# KiCad board coils_12_35_10_2_layer.kicad_pcb (continued)
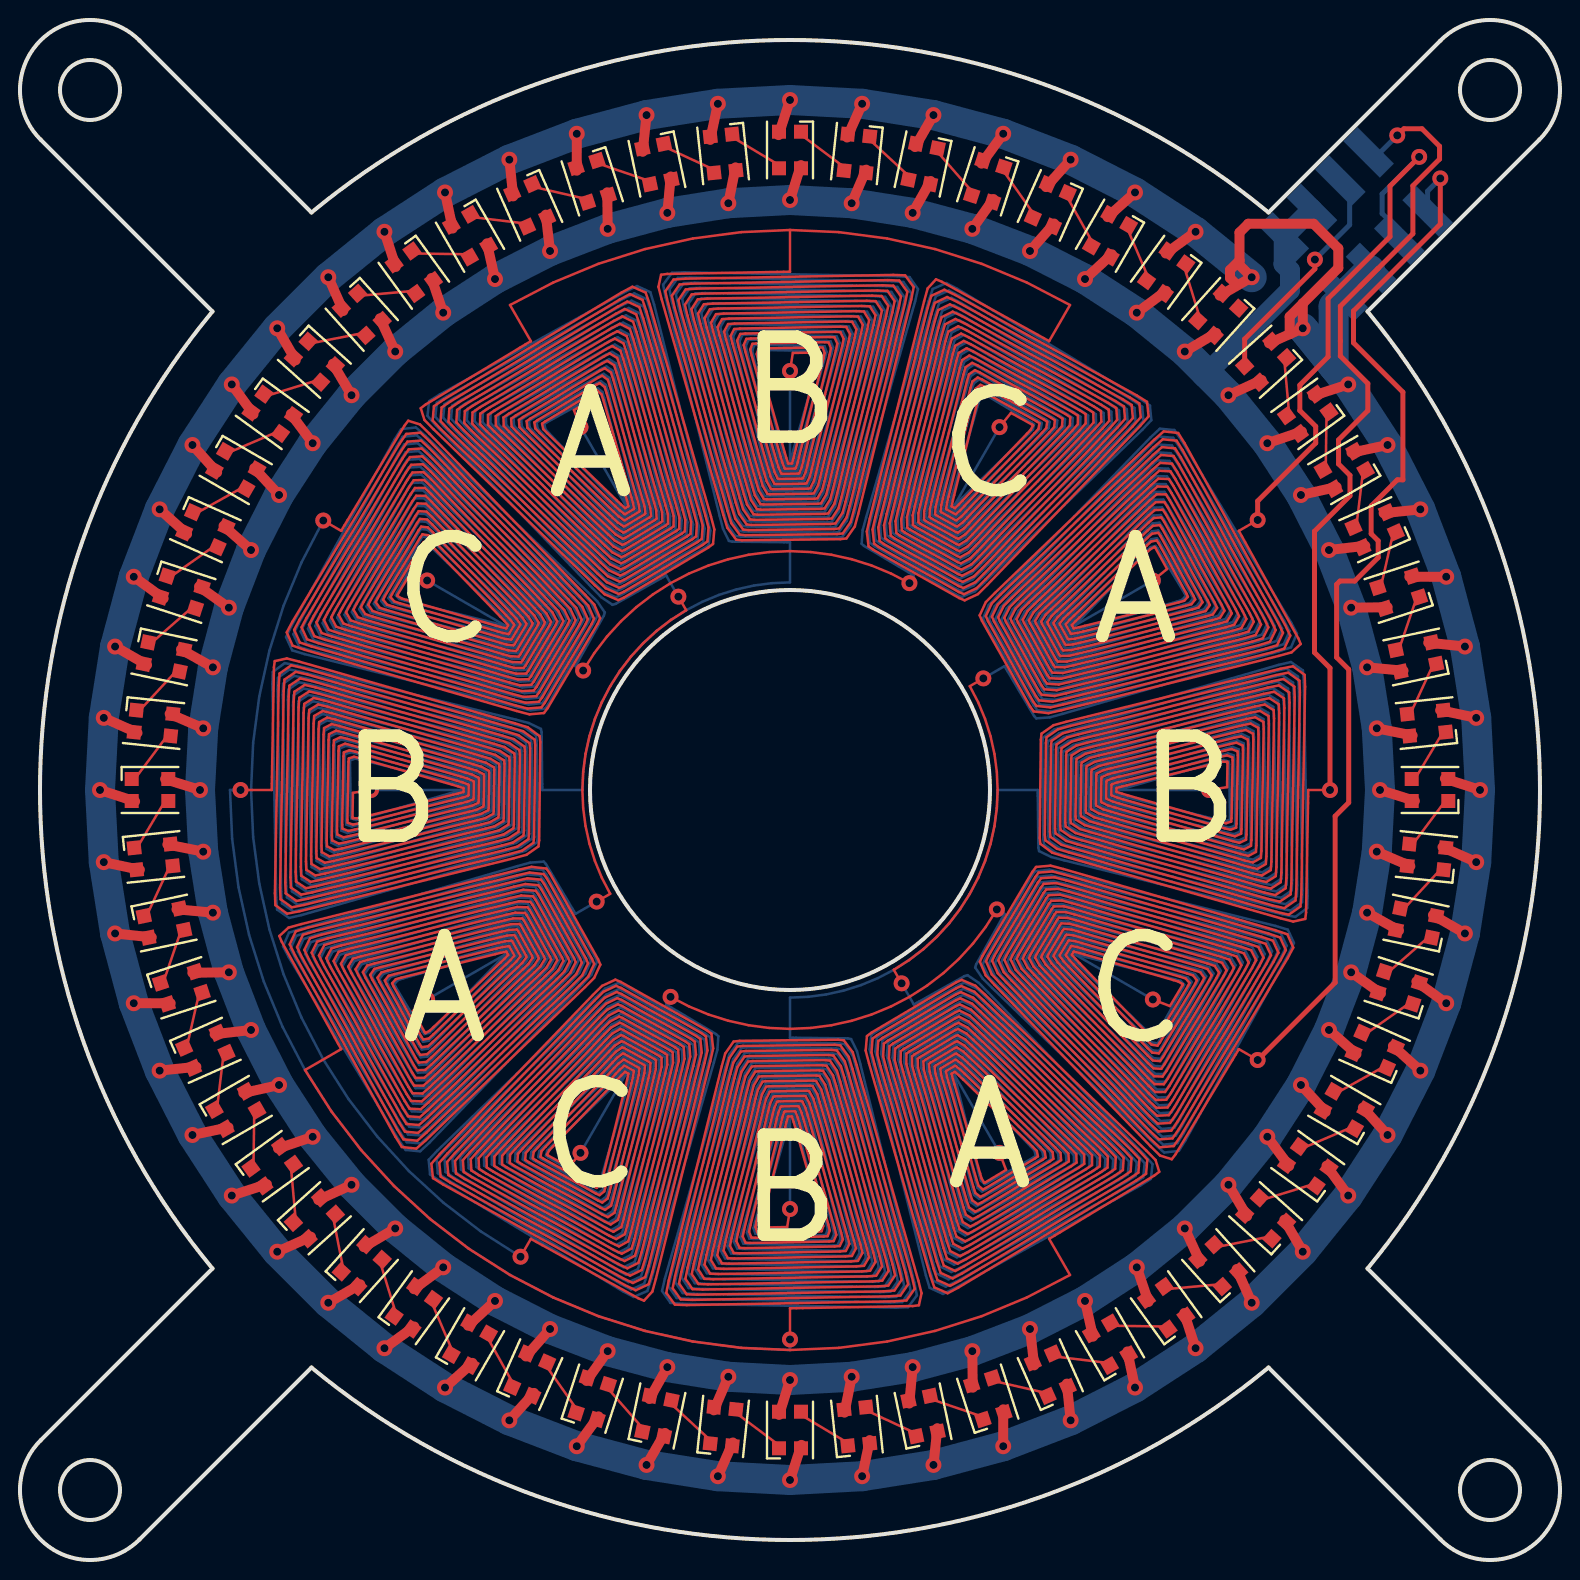
[diagram p0: board, top side]
## Routing (per net, layer and track width the routed paths; a pad name or vN(x,y) marks a point on that pad's centre or on a via; arc(x,y) is an arc through that point) (continued)
  In1.Cu w0.127: v1(48.84,32.53) 49.23,32.31 47.81,29.78 47.76,29.63 48.14,29.07 48.61,28.6 56.72,20.8 57.21,20.37 57.94,20.46 58.27,20.98 63.43,30.3 63.7,30.85 63.39,31.52 62.78,31.7 52.11,34.37 51.47,34.52 50.75,34.43 50.58,34.2 48.25,30.05 48.14,29.78 48.44,29.14 48.89,28.68 56.69,21.18 57.16,20.77 57.87,20.84 58.18,21.34 63.08,30.19 63.33,30.71 63.03,31.35 62.45,31.52 52.18,34.09 51.58,34.23 50.88,34.16 50.73,33.94 48.55,30.07 48.45,29.82 48.74,29.2 49.17,28.77 56.66,21.56 57.12,21.16 57.79,21.22 58.09,21.69 62.72,30.07 62.97,30.57 62.68,31.18 62.11,31.35 52.26,33.81 51.68,33.94 51.02,33.88 50.87,33.68 48.85,30.08 48.75,29.85 49.04,29.26 49.45,28.85 56.64,21.93 57.07,21.55 57.72,21.61 57.99,22.05 62.37,29.96 62.6,30.43 62.32,31.01 61.78,31.17 52.34,33.53 51.78,33.66 51.15,33.6 51.01,33.42 49.15,30.09 49.06,29.88 49.34,29.33 49.74,28.93 56.61,22.31 57.03,21.95 57.64,21.99 57.9,22.41 62.02,29.85 62.23,30.3 61.96,30.83 61.44,30.99 52.42,33.25 51.88,33.37 51.29,33.33 51.16,33.15 49.45,30.11 49.37,29.91 49.64,29.39 50.02,29.01 56.59,22.69 56.98,22.34 57.56,22.38 57.81,22.77 61.67,29.74 61.87,30.16 61.6,30.66 61.11,30.81 52.5,32.97 51.99,33.08 51.42,33.05 51.3,32.89 49.75,30.12 49.68,29.94 49.94,29.45 50.3,29.09 56.56,23.07 56.94,22.73 57.49,22.76 57.72,23.12 61.32,29.63 61.5,30.02 61.25,30.49 60.78,30.63 52.58,32.68 52.09,32.8 51.56,32.77 51.45,32.63 50.05,30.14 49.98,29.97 50.24,29.52 50.58,29.17 56.53,23.44 56.89,23.13 57.41,23.14 57.62,23.48 60.97,29.52 61.14,29.88 60.89,30.32 60.44,30.45 52.65,32.4 52.19,32.51 51.69,32.49 51.59,32.37 50.35,30.15 50.29,30.01 50.54,29.58 50.86,29.25 56.51,23.82 56.85,23.52 57.33,23.53 57.53,23.84 60.61,29.41 60.77,29.74 60.53,30.15 60.11,30.28 52.73,32.12 52.3,32.22 51.82,32.22 51.74,32.11 50.65,30.17 50.6,30.04 50.83,29.64 51.14,29.34 56.48,24.2 56.8,23.91 57.26,23.91 57.44,24.2 60.26,29.3 60.41,29.6 60.18,29.98 59.78,30.1 52.81,31.84 52.4,31.94 51.96,31.94 51.88,31.85 50.95,30.18 50.91,30.07 51.13,29.71 51.43,29.42 56.46,24.58 56.76,24.31 57.18,24.3 57.35,24.55 59.91,29.18 60.04,29.46 59.82,29.81 59.44,29.92 52.89,31.56 52.5,31.65 52.09,31.66 52.03,31.59 51.24,30.2 51.21,30.1 51.43,29.77 51.71,29.5 56.43,24.95 56.71,24.7 57.1,24.68 57.25,24.91 59.56,29.07 59.67,29.32 59.46,29.64 59.11,29.74 52.97,31.28 52.6,31.36 52.23,31.39 52.17,31.33 51.54,30.21 51.52,30.13 51.73,29.83 51.99,29.58 56.4,25.33 56.67,25.09 57.03,25.06 57.16,25.27 59.21,28.96 59.31,29.18 59.1,29.47 58.77,29.56 53.04,31 52.71,31.08 52.36,31.11 52.32,31.07 51.84,30.22 51.83,30.16 52.03,29.9 52.27,29.66 56.38,25.71 56.62,25.49 56.95,25.45 57.07,25.62 58.85,28.85 58.94,29.04 58.75,29.3 58.44,29.38 53.12,30.71 52.81,30.79 52.5,30.83 52.46,30.8 52.14,30.24 52.14,30.19 52.33,29.96 52.55,29.74 56.35,26.09 56.58,25.88 56.88,25.83 56.98,25.98 58.5,28.74 58.58,28.9 58.39,29.13 58.11,29.21 53.2,30.43 52.91,30.5 52.63,30.56 52.61,30.54 52.44,30.25 52.44,30.23 52.63,30.02 52.83,29.83 56.33,26.46 56.53,26.27 56.8,26.21 56.88,26.34 58.15,28.63 58.21,28.77 58.03,28.96 57.77,29.03 53.28,30.15 53.01,30.22 52.76,30.28 52.75,30.28 52.75,30.28 v1(56.64,28.03) ; v1(56.64,48.98) 52.75,46.73 52.74,46.73 52.75,46.74 52.93,46.93 53.12,47.12 56.34,50.45 56.53,50.64 56.79,50.7 56.87,50.58 58.22,48.34 58.29,48.2 58.1,48.01 57.84,47.92 53.18,46.58 52.91,46.5 52.64,46.44 52.61,46.45 52.44,46.74 52.44,46.77 52.63,46.98 52.84,47.2 56.35,50.83 56.56,51.04 56.85,51.09 56.95,50.94 58.58,48.24 58.66,48.08 58.47,47.85 58.18,47.75 53.11,46.29 52.81,46.21 52.51,46.16 52.48,46.18 52.15,46.74 52.14,46.79 52.33,47.04 52.55,47.27 56.36,51.21 56.59,51.43 56.91,51.48 57.03,51.3 58.94,48.14 59.03,47.95 58.83,47.69 58.52,47.59 53.04,46.01 52.72,45.92 52.38,45.87 52.34,45.92 51.85,46.75 51.83,46.81 52.03,47.09 52.27,47.34 56.38,51.59 56.62,51.83 56.97,51.86 57.11,51.66 59.29,48.04 59.4,47.83 59.19,47.53 58.86,47.42 52.97,45.72 52.62,45.63 52.26,45.59 52.2,45.65 51.55,46.75 51.52,46.83 51.73,47.15 51.99,47.42 56.39,51.97 56.65,52.22 57.04,52.25 57.19,52.02 59.65,47.95 59.77,47.7 59.56,47.37 59.2,47.25 52.9,45.44 52.53,45.33 52.13,45.31 52.06,45.39 51.25,46.76 51.22,46.85 51.43,47.2 51.71,47.49 56.4,52.35 56.69,52.62 57.1,52.63 57.27,52.38 60,47.85 60.14,47.58 59.92,47.22 59.54,47.09 52.83,45.15 52.43,45.04 52,45.03 51.93,45.12 50.95,46.76 50.91,46.88 51.13,47.25 51.42,47.56 56.41,52.72 56.72,53.01 57.16,53.02 57.35,52.74 60.36,47.75 60.51,47.45 60.28,47.06 59.88,46.92 52.76,44.87 52.34,44.75 51.88,44.75 51.79,44.85 50.65,46.77 50.6,46.9 50.83,47.31 51.14,47.64 56.43,53.1 56.75,53.41 57.22,53.41 57.43,53.1 60.71,47.65 60.88,47.32 60.65,46.9 60.22,46.76 52.69,44.58 52.24,44.46 51.75,44.46 51.65,44.59 50.35,46.77 50.3,46.92 50.53,47.36 50.86,47.71 56.44,53.48 56.78,53.8 57.29,53.79 57.51,53.46 61.07,47.55 61.25,47.2 61.01,46.74 60.56,46.59 52.62,44.3 52.15,44.17 51.63,44.18 51.52,44.32 50.06,46.78 49.99,46.94 50.23,47.42 50.57,47.78 56.45,53.86 56.81,54.2 57.35,54.18 57.59,53.82 61.42,47.45 61.62,47.07 61.37,46.58 60.9,46.42 52.55,44.01 52.05,43.88 51.5,43.9 51.38,44.05 49.76,46.79 49.68,46.97 49.93,47.47 50.29,47.85 56.46,54.24 56.84,54.59 57.41,54.57 57.67,54.18 61.78,47.36 61.99,46.95 61.74,46.43 61.24,46.26 52.48,43.73 51.96,43.59 51.37,43.62 51.24,43.79 49.46,46.79 49.37,46.99 49.64,47.53 50.01,47.93 56.48,54.62 56.87,54.99 57.47,54.95 57.75,54.55 62.14,47.26 62.37,46.82 62.1,46.27 61.58,46.09 52.41,43.45 51.86,43.3 51.25,43.34 51.1,43.52 49.16,46.8 49.07,47.01 49.34,47.58 49.73,48 56.49,54.99 56.9,55.38 57.53,55.34 57.83,54.91 62.49,47.16 62.74,46.7 62.46,46.11 61.92,45.93 52.34,43.16 51.77,43.01 51.12,43.05 50.97,43.25 48.86,46.8 48.76,47.03 49.04,47.63 49.44,48.07 56.5,55.37 56.93,55.78 57.6,55.72 57.91,55.27 62.85,47.06 63.11,46.57 62.83,45.95 62.26,45.76 52.27,42.88 51.67,42.72 50.99,42.77 50.83,42.99 48.56,46.81 48.45,47.05 48.74,47.69 49.16,48.15 56.51,55.75 56.96,56.17 57.66,56.11 57.99,55.63 63.2,46.96 63.48,46.44 63.19,45.8 62.6,45.59 52.2,42.59 51.58,42.43 50.87,42.49 50.69,42.72 48.27,46.81 48.15,47.08 48.44,47.74 48.88,48.22 56.53,56.13 56.99,56.56 57.72,56.5 58.07,55.99 63.56,46.86 63.85,46.32 63.55,45.64 62.94,45.43 52.13,42.31 51.49,42.13 50.81,42.08 50.7,42.2 49.23,44.69 v1(48.17,44.08) ; v1(38.5,17.55) 38.5,22.05 38.49,22.05 38.49,22.04 38.42,21.79 38.34,21.53 37.07,17.07 37,16.81 37.07,16.56 37.22,16.55 39.84,16.5 39.99,16.51 40.07,16.77 40.01,17.04 38.85,21.75 38.78,22.03 38.69,22.29 38.67,22.3 38.34,22.31 38.31,22.29 38.22,22.02 38.14,21.74 36.75,16.87 36.67,16.59 36.77,16.32 36.95,16.3 40.1,16.24 40.28,16.25 40.39,16.53 40.32,16.83 39.06,21.95 38.98,22.25 38.87,22.54 38.83,22.55 38.18,22.56 38.14,22.55 38.02,22.25 37.93,21.94 36.42,16.67 36.35,16.36 36.47,16.07 36.68,16.05 40.37,15.98 40.58,15.99 40.71,16.3 40.64,16.62 39.27,22.16 39.19,22.48 39.06,22.79 38.99,22.81 38.03,22.82 37.97,22.8 37.83,22.49 37.73,22.15 36.1,16.47 36.02,16.14 36.16,15.82 36.41,15.8 40.63,15.72 40.87,15.74 41.03,16.06 40.95,16.41 39.48,22.36 39.39,22.71 39.24,23.04 39.16,23.06 37.88,23.07 37.8,23.06 37.63,22.72 37.52,22.36 35.78,16.27 35.69,15.92 35.86,15.57 36.14,15.55 40.89,15.46 41.17,15.48 41.34,15.83 41.27,16.2 39.69,22.56 39.59,22.94 39.42,23.29 39.32,23.31 37.72,23.33 37.62,23.31 37.43,22.95 37.32,22.57 35.46,16.07 35.37,15.69 35.56,15.33 35.86,15.3 41.16,15.2 41.46,15.22 41.66,15.59 41.58,15.99 39.9,22.77 39.8,23.16 39.6,23.54 39.48,23.56 37.57,23.58 37.45,23.56 37.23,23.18 37.11,22.78 35.14,15.87 35.04,15.47 35.25,15.08 35.59,15.05 41.42,14.95 41.76,14.96 41.98,15.36 41.89,15.78 40.11,22.97 40,23.39 39.78,23.79 39.64,23.81 37.42,23.84 37.28,23.82 37.04,23.41 36.91,22.99 34.82,15.67 34.71,15.24 34.95,14.83 35.32,14.8 41.68,14.69 42.05,14.7 42.3,15.12 42.21,15.57 40.33,23.17 40.21,23.62 39.96,24.04 39.81,24.07 37.26,24.1 37.11,24.07 36.84,23.65 36.7,23.19 34.5,15.47 34.39,15.02 34.65,14.58 35.05,14.55 41.95,14.43 42.34,14.45 42.62,14.88 42.52,15.35 40.54,23.37 40.41,23.84 40.14,24.29 39.97,24.32 37.11,24.35 36.93,24.33 36.64,23.88 36.5,23.4 34.17,15.27 34.06,14.8 34.34,14.34 34.77,14.3 42.21,14.17 42.64,14.19 42.93,14.65 42.84,15.14 40.75,23.58 40.62,24.07 40.32,24.54 40.13,24.57 36.95,24.61 36.76,24.58 36.45,24.11 36.29,23.61 33.85,15.07 33.73,14.57 34.04,14.09 34.5,14.06 42.47,13.91 42.93,13.93 43.25,14.41 43.15,14.93 40.96,23.78 40.82,24.3 40.5,24.79 40.29,24.82 36.8,24.86 36.59,24.84 36.25,24.34 36.09,23.82 33.53,14.87 33.41,14.35 33.74,13.84 34.23,13.81 42.73,13.65 43.23,13.67 43.57,14.18 43.46,14.72 41.17,23.98 41.02,24.53 40.69,25.04 40.46,25.08 36.65,25.12 36.41,25.09 36.05,24.58 35.89,24.03 33.21,14.67 33.08,14.12 33.44,13.6 33.96,13.56 43,13.39 43.52,13.41 43.89,13.94 43.78,14.51 41.38,24.19 41.23,24.75 40.87,25.29 40.62,25.33 36.49,25.38 36.24,25.35 35.86,24.81 35.68,24.24 32.89,14.47 32.75,13.9 33.13,13.35 33.68,13.31 43.26,13.13 43.81,13.16 44.21,13.71 44.09,14.3 41.59,24.39 41.43,24.98 41.05,25.55 40.78,25.58 36.34,25.63 36.07,25.6 35.66,25.04 35.48,24.44 32.57,14.27 32.43,13.68 32.83,13.1 33.41,13.06 43.52,12.88 44.11,12.9 44.53,13.47 44.41,14.09 41.8,24.59 41.64,25.21 41.23,25.8 40.94,25.83 36.18,25.89 35.9,25.86 35.46,25.27 35.27,24.65 32.25,14.07 32.1,13.45 32.53,12.85 33.14,12.81 43.79,12.62 44.4,12.64 44.84,13.24 44.72,13.88 42.02,24.8 41.85,25.44 41.56,26.05 41.4,26.08 38.5,26.11 38.5,28.12 39.4,28.16 40.3,28.28 41.19,28.47 42.05,28.75 42.89,29.09 43.69,29.51 44.45,30 45.17,30.55 45.84,31.16 46.45,31.83 47,32.55 47.49,33.31 47.91,34.11 48.25,34.95 48.53,35.81 48.72,36.7 48.84,37.6 48.88,38.5 50.89,38.5 50.92,35.6 50.95,35.44 51.56,35.15 52.2,34.98 63.12,32.28 63.76,32.16 64.36,32.6 64.38,33.21 64.19,43.86 64.15,44.47 63.55,44.9 62.93,44.75 52.35,41.73 51.73,41.54 51.14,41.1 51.11,40.82 51.17,36.06 51.2,35.77 51.79,35.36 52.41,35.2 62.91,32.59 63.53,32.47 64.1,32.89 64.12,33.48 63.94,43.59 63.9,44.17 63.32,44.57 62.73,44.43 52.56,41.52 51.96,41.34 51.4,40.93 51.37,40.66 51.42,36.22 51.45,35.95 52.02,35.57 52.61,35.41 62.7,32.91 63.29,32.79 63.84,33.19 63.87,33.74 63.69,43.32 63.65,43.87 63.1,44.25 62.53,44.11 52.76,41.32 52.19,41.14 51.65,40.76 51.62,40.51 51.67,36.38 51.71,36.13 52.25,35.77 52.81,35.62 62.49,33.22 63.06,33.11 63.59,33.48 63.61,34 63.44,43.04 63.4,43.56 62.88,43.92 62.33,43.79 52.97,41.11 52.42,40.95 51.91,40.59 51.88,40.35 51.92,36.54 51.96,36.31 52.47,35.98 53.02,35.83 62.28,33.54 62.82,33.43 63.33,33.77 63.35,34.27 63.19,42.77 63.16,43.26 62.65,43.59 62.13,43.47 53.18,40.91 52.66,40.75 52.16,40.41 52.14,40.2 52.18,36.71 52.21,36.5 52.7,36.18 53.22,36.04 62.07,33.85 62.59,33.75 63.07,34.07 63.09,34.53 62.94,42.5 62.91,42.96 62.43,43.27 61.93,43.15 53.39,40.71 52.89,40.55 52.42,40.24 52.39,40.05 52.43,36.87 52.46,36.68 52.93,36.38 53.42,36.25 61.86,34.16 62.35,34.07 62.81,34.36 62.83,34.79 62.7,42.23 62.66,42.66 62.2,42.94 61.73,42.83 53.6,40.5 53.12,40.36 52.67,40.07 52.65,39.89 52.68,37.03 52.71,36.86 53.16,36.59 53.63,36.46 61.65,34.48 62.12,34.38 62.55,34.66 62.57,35.05 62.45,41.95 62.42,42.35 61.98,42.61 61.53,42.5 53.81,40.3 53.35,40.16 52.93,39.89 52.9,39.74 52.93,37.19 52.96,37.04 53.38,36.79 53.83,36.67 61.43,34.79 61.88,34.7 62.3,34.95 62.31,35.32 62.2,41.68 62.17,42.05 61.76,42.29 61.33,42.18 54.01,40.09 53.59,39.96 53.18,39.72 53.16,39.58 53.19,37.36 53.21,37.22 53.61,37 54.03,36.89 61.22,35.11 61.64,35.02 62.04,35.24 62.05,35.58 61.95,41.41 61.92,41.75 61.53,41.96 61.13,41.86 54.22,39.89 53.82,39.77 53.44,39.55 53.42,39.43 53.44,37.52 53.46,37.4 53.84,37.2 54.23,37.1 61.01,35.42 61.41,35.34 61.78,35.54 61.8,35.84 61.7,41.14 61.67,41.44 61.31,41.63 60.93,41.54 54.43,39.68 54.05,39.57 53.69,39.38 53.67,39.28 53.69,37.68 53.71,37.58 54.06,37.41 54.44,37.31 60.8,35.73 61.17,35.66 61.52,35.83 61.54,36.11 61.45,40.86 61.43,41.14 61.08,41.31 60.73,41.22 54.64,39.48 54.28,39.37 53.94,39.2 53.93,39.12 53.94,37.84 53.96,37.76 54.29,37.61 54.64,37.52 60.59,36.05 60.94,35.97 61.26,36.13 61.28,36.37 61.2,40.59 61.18,40.84 60.86,40.98 60.53,40.9 54.85,39.27 54.51,39.17 54.2,39.03 54.18,38.97 54.19,38.01 54.21,37.94 54.52,37.81 54.84,37.73 60.38,36.36 60.7,36.29 61.01,36.42 61.02,36.63 60.95,40.32 60.93,40.53 60.64,40.65 60.33,40.58 55.06,39.07 54.75,38.98 54.45,38.86 54.44,38.82 54.45,38.17 54.46,38.13 54.75,38.02 55.05,37.94 60.17,36.68 60.47,36.61 60.75,36.72 60.76,36.9 60.7,40.05 60.68,40.23 60.41,40.33 60.13,40.25 55.26,38.86 54.98,38.78 54.71,38.69 54.69,38.66 54.7,38.33 54.71,38.31 54.97,38.22 55.25,38.15 59.96,36.99 60.23,36.93 60.49,37.01 60.5,37.16 60.45,39.78 60.44,39.93 60.19,40 59.93,39.93 55.47,38.66 55.21,38.58 54.96,38.51 54.95,38.51 54.95,38.5 v1(59.45,38.5) ; v1(28.03,20.36) 30.27,24.25 30.27,24.26 30.26,24.25 30.07,24.07 29.88,23.88 26.55,20.66 26.36,20.47 26.3,20.21 26.42,20.13 28.66,18.78 28.8,18.71 28.99,18.9 29.08,19.16 30.42,23.82 30.5,24.09 30.56,24.36 30.55,24.39 30.26,24.56 30.23,24.56 30.02,24.37 29.8,24.16 26.17,20.65 25.96,20.44 25.91,20.15 26.06,20.05 28.76,18.42 28.92,18.34 29.15,18.53 29.25,18.82 30.71,23.89 30.79,24.19 30.84,24.49 30.82,24.52 30.26,24.85 30.21,24.86 29.96,24.67 29.73,24.45 25.79,20.64 25.57,20.41 25.52,20.09 25.7,19.97 28.86,18.06 29.05,17.97 29.31,18.17 29.41,18.48 30.99,23.96 31.08,24.28 31.13,24.62 31.08,24.66 30.25,25.15 30.19,25.17 29.91,24.97 29.66,24.73 25.41,20.62 25.17,20.38 25.14,20.03 25.34,19.89 28.96,17.71 29.17,17.6 29.47,17.81 29.58,18.14 31.28,24.03 31.37,24.38 31.41,24.74 31.35,24.8 30.25,25.45 30.17,25.48 29.85,25.27 29.58,25.01 25.03,20.61 24.78,20.35 24.75,19.96 24.98,19.81 29.05,17.35 29.3,17.23 29.63,17.44 29.75,17.8 31.56,24.1 31.67,24.47 31.69,24.87 31.61,24.94 30.24,25.75 30.15,25.78 29.8,25.57 29.51,25.29 24.65,20.6 24.38,20.31 24.37,19.9 24.62,19.73 29.15,17 29.42,16.86 29.78,17.08 29.91,17.46 31.85,24.17 31.96,24.57 31.97,25 31.88,25.07 30.24,26.05 30.12,26.09 29.75,25.87 29.44,25.58 24.28,20.59 23.99,20.28 23.98,19.84 24.26,19.65 29.25,16.64 29.55,16.49 29.94,16.72 30.08,17.12 32.13,24.24 32.25,24.66 32.25,25.12 32.15,25.21 30.23,26.35 30.1,26.4 29.69,26.17 29.36,25.86 23.9,20.57 23.59,20.25 23.59,19.78 23.9,19.57 29.35,16.29 29.68,16.12 30.1,16.35 30.24,16.78 32.42,24.31 32.54,24.76 32.54,25.25 32.41,25.35 30.23,26.65 30.08,26.7 29.64,26.47 29.29,26.14 23.52,20.56 23.2,20.22 23.21,19.71 23.54,19.49 29.45,15.93 29.8,15.75 30.26,15.99 30.41,16.44 32.7,24.38 32.83,24.85 32.82,25.37 32.68,25.48 30.22,26.94 30.06,27.01 29.58,26.77 29.22,26.43 23.14,20.55 22.8,20.19 22.82,19.65 23.18,19.41 29.55,15.58 29.93,15.38 30.42,15.63 30.58,16.1 32.99,24.45 33.12,24.95 33.1,25.5 32.95,25.62 30.21,27.24 30.03,27.32 29.53,27.07 29.15,26.71 22.76,20.54 22.41,20.16 22.43,19.59 22.82,19.33 29.64,15.22 30.05,15.01 30.57,15.26 30.74,15.76 33.27,24.52 33.41,25.04 33.38,25.63 33.21,25.76 30.21,27.54 30.01,27.63 29.47,27.36 29.07,26.99 22.38,20.52 22.01,20.13 22.05,19.53 22.45,19.25 29.74,14.86 30.18,14.63 30.73,14.9 30.91,15.42 33.55,24.59 33.7,25.14 33.66,25.75 33.48,25.9 30.2,27.84 29.99,27.93 29.42,27.66 29,27.27 22.01,20.51 21.62,20.1 21.66,19.47 22.09,19.17 29.84,14.51 30.3,14.26 30.89,14.54 31.07,15.08 33.84,24.66 33.99,25.23 33.95,25.88 33.75,26.03 30.2,28.14 29.97,28.24 29.37,27.96 28.93,27.56 21.63,20.5 21.22,20.07 21.28,19.4 21.73,19.09 29.94,14.15 30.43,13.89 31.05,14.17 31.24,14.74 34.12,24.73 34.28,25.33 34.23,26.01 34.01,26.17 30.19,28.44 29.95,28.55 29.31,28.26 28.85,27.84 21.25,20.49 20.83,20.04 20.89,19.34 21.37,19.01 30.04,13.8 30.56,13.52 31.2,13.81 31.41,14.4 34.41,24.8 34.57,25.42 34.51,26.13 34.28,26.31 30.19,28.73 29.92,28.85 29.26,28.56 28.78,28.12 20.87,20.47 20.44,20.01 20.5,19.28 21.01,18.93 30.14,13.44 30.68,13.15 31.36,13.45 31.57,14.06 34.69,24.87 34.87,25.51 34.92,26.19 34.8,26.3 32.31,27.77 v1(32.53,28.16) ; v1(38.5,11.03) 38.5,10.5 36.06,10.61 33.64,10.93 31.25,11.45 28.92,12.19 26.67,13.12 24.5,14.25 22.44,15.56 20.5,17.05 18.7,18.7 17.05,20.5 15.56,22.44 14.25,24.5 13.12,26.67 12.19,28.92 11.45,31.25 10.93,33.64 10.61,36.06 10.5,38.5 v1(11.03,38.5) ; v1(15.16,51.97) 14.08,49.89 13.18,47.72 12.47,45.47 11.96,43.18 11.66,40.85 11.55,38.5 11.66,36.15 11.96,33.82 12.47,31.53 13.18,29.28 14.08,27.11 15.16,25.03 16.43,23.04 17.86,21.18 19.45,19.45 21.18,17.86 23.04,16.43 v1(25.03,15.16) ; v1(20.36,28.03) 24.25,30.27 24.26,30.27 24.25,30.26 24.07,30.07 23.88,29.88 20.66,26.55 20.47,26.36 20.21,26.3 20.13,26.42 18.78,28.66 18.71,28.8 18.9,28.99 19.16,29.08 23.82,30.42 24.09,30.5 24.36,30.56 24.39,30.55 24.56,30.26 24.56,30.23 24.37,30.02 24.16,29.8 20.65,26.17 20.44,25.96 20.15,25.91 20.05,26.06 18.42,28.76 18.34,28.92 18.53,29.15 18.82,29.25 23.89,30.71 24.19,30.79 24.49,30.84 24.52,30.82 24.85,30.26 24.86,30.21 24.67,29.96 24.45,29.73 20.64,25.79 20.41,25.57 20.09,25.52 19.97,25.7 18.06,28.86 17.97,29.05 18.17,29.31 18.48,29.41 23.96,30.99 24.28,31.08 24.62,31.13 24.66,31.08 25.15,30.25 25.17,30.19 24.97,29.91 24.73,29.66 20.62,25.41 20.38,25.17 20.03,25.14 19.89,25.34 17.71,28.96 17.6,29.17 17.81,29.47 18.14,29.58 24.03,31.28 24.38,31.37 24.74,31.41 24.8,31.35 25.45,30.25 25.48,30.17 25.27,29.85 25.01,29.58 20.61,25.03 20.35,24.78 19.96,24.75 19.81,24.98 17.35,29.05 17.23,29.3 17.44,29.63 17.8,29.75 24.1,31.56 24.47,31.67 24.87,31.69 24.94,31.61 25.75,30.24 25.78,30.15 25.57,29.8 25.29,29.51 20.6,24.65 20.31,24.38 19.9,24.37 19.73,24.62 17,29.15 16.86,29.42 17.08,29.78 17.46,29.91 24.17,31.85 24.57,31.96 25,31.97 25.07,31.88 26.05,30.24 26.09,30.12 25.87,29.75 25.58,29.44 20.59,24.28 20.28,23.99 19.84,23.98 19.65,24.26 16.64,29.25 16.49,29.55 16.72,29.94 17.12,30.08 24.24,32.13 24.66,32.25 25.12,32.25 25.21,32.15 26.35,30.23 26.4,30.1 26.17,29.69 25.86,29.36 20.57,23.9 20.25,23.59 19.78,23.59 19.57,23.9 16.29,29.35 16.12,29.68 16.35,30.1 16.78,30.24 24.31,32.42 24.76,32.54 25.25,32.54 25.35,32.41 26.65,30.23 26.7,30.08 26.47,29.64 26.14,29.29 20.56,23.52 20.22,23.2 19.71,23.21 19.49,23.54 15.93,29.45 15.75,29.8 15.99,30.26 16.44,30.41 24.38,32.7 24.85,32.83 25.37,32.82 25.48,32.68 26.94,30.22 27.01,30.06 26.77,29.58 26.43,29.22 20.55,23.14 20.19,22.8 19.65,22.82 19.41,23.18 15.58,29.55 15.38,29.93 15.63,30.42 16.1,30.58 24.45,32.99 24.95,33.12 25.5,33.1 25.62,32.95 27.24,30.21 27.32,30.03 27.07,29.53 26.71,29.15 20.54,22.76 20.16,22.41 19.59,22.43 19.33,22.82 15.22,29.64 15.01,30.05 15.26,30.57 15.76,30.74 24.52,33.27 25.04,33.41 25.63,33.38 25.76,33.21 27.54,30.21 27.63,30.01 27.36,29.47 26.99,29.07 20.52,22.38 20.13,22.01 19.53,22.05 19.25,22.45 14.86,29.74 14.63,30.18 14.9,30.73 15.42,30.91 24.59,33.55 25.14,33.7 25.75,33.66 25.9,33.48 27.84,30.2 27.93,29.99 27.66,29.42 27.27,29 20.51,22.01 20.1,21.62 19.47,21.66 19.17,22.09 14.51,29.84 14.26,30.3 14.54,30.89 15.08,31.07 24.66,33.84 25.23,33.99 25.88,33.95 26.03,33.75 28.14,30.2 28.24,29.97 27.96,29.37 27.56,28.93 20.5,21.63 20.07,21.22 19.4,21.28 19.09,21.73 14.15,29.94 13.89,30.43 14.17,31.05 14.74,31.24 24.73,34.12 25.33,34.28 26.01,34.23 26.17,34.01 28.44,30.19 28.55,29.95 28.26,29.31 27.84,28.85 20.49,21.25 20.04,20.83 19.34,20.89 19.01,21.37 13.8,30.04 13.52,30.56 13.81,31.2 14.4,31.41 24.8,34.41 25.42,34.57 26.13,34.51 26.31,34.28 28.73,30.19 28.85,29.92 28.56,29.26 28.12,28.78 20.47,20.87 20.01,20.44 19.28,20.5 18.93,21.01 13.44,30.14 13.15,30.68 13.45,31.36 14.06,31.57 24.87,34.69 25.51,34.87 26.19,34.92 26.3,34.8 27.77,32.31 v1(28.83,32.92) ; v1(38.5,59.45) 38.5,54.95 38.51,54.95 38.51,54.96 38.58,55.21 38.66,55.47 39.93,59.93 40,60.19 39.93,60.44 39.78,60.45 37.16,60.5 37.01,60.49 36.93,60.23 36.99,59.96 38.15,55.25 38.22,54.97 38.31,54.71 38.33,54.7 38.66,54.69 38.69,54.71 38.78,54.98 38.86,55.26 40.25,60.13 40.33,60.41 40.23,60.68 40.05,60.7 36.9,60.76 36.72,60.75 36.61,60.47 36.68,60.17 37.94,55.05 38.02,54.75 38.13,54.46 38.17,54.45 38.82,54.44 38.86,54.45 38.98,54.75 39.07,55.06 40.58,60.33 40.65,60.64 40.53,60.93 40.32,60.95 36.63,61.02 36.42,61.01 36.29,60.7 36.36,60.38 37.73,54.84 37.81,54.52 37.94,54.21 38.01,54.19 38.97,54.18 39.03,54.2 39.17,54.51 39.27,54.85 40.9,60.53 40.98,60.86 40.84,61.18 40.59,61.2 36.37,61.28 36.13,61.26 35.97,60.94 36.05,60.59 37.52,54.64 37.61,54.29 37.76,53.96 37.84,53.94 39.12,53.93 39.2,53.94 39.37,54.28 39.48,54.64 41.22,60.73 41.31,61.08